# Altium PCB PA-HF_100W-VHF_60W.PcbDoc (part 2 of 3) (continued)
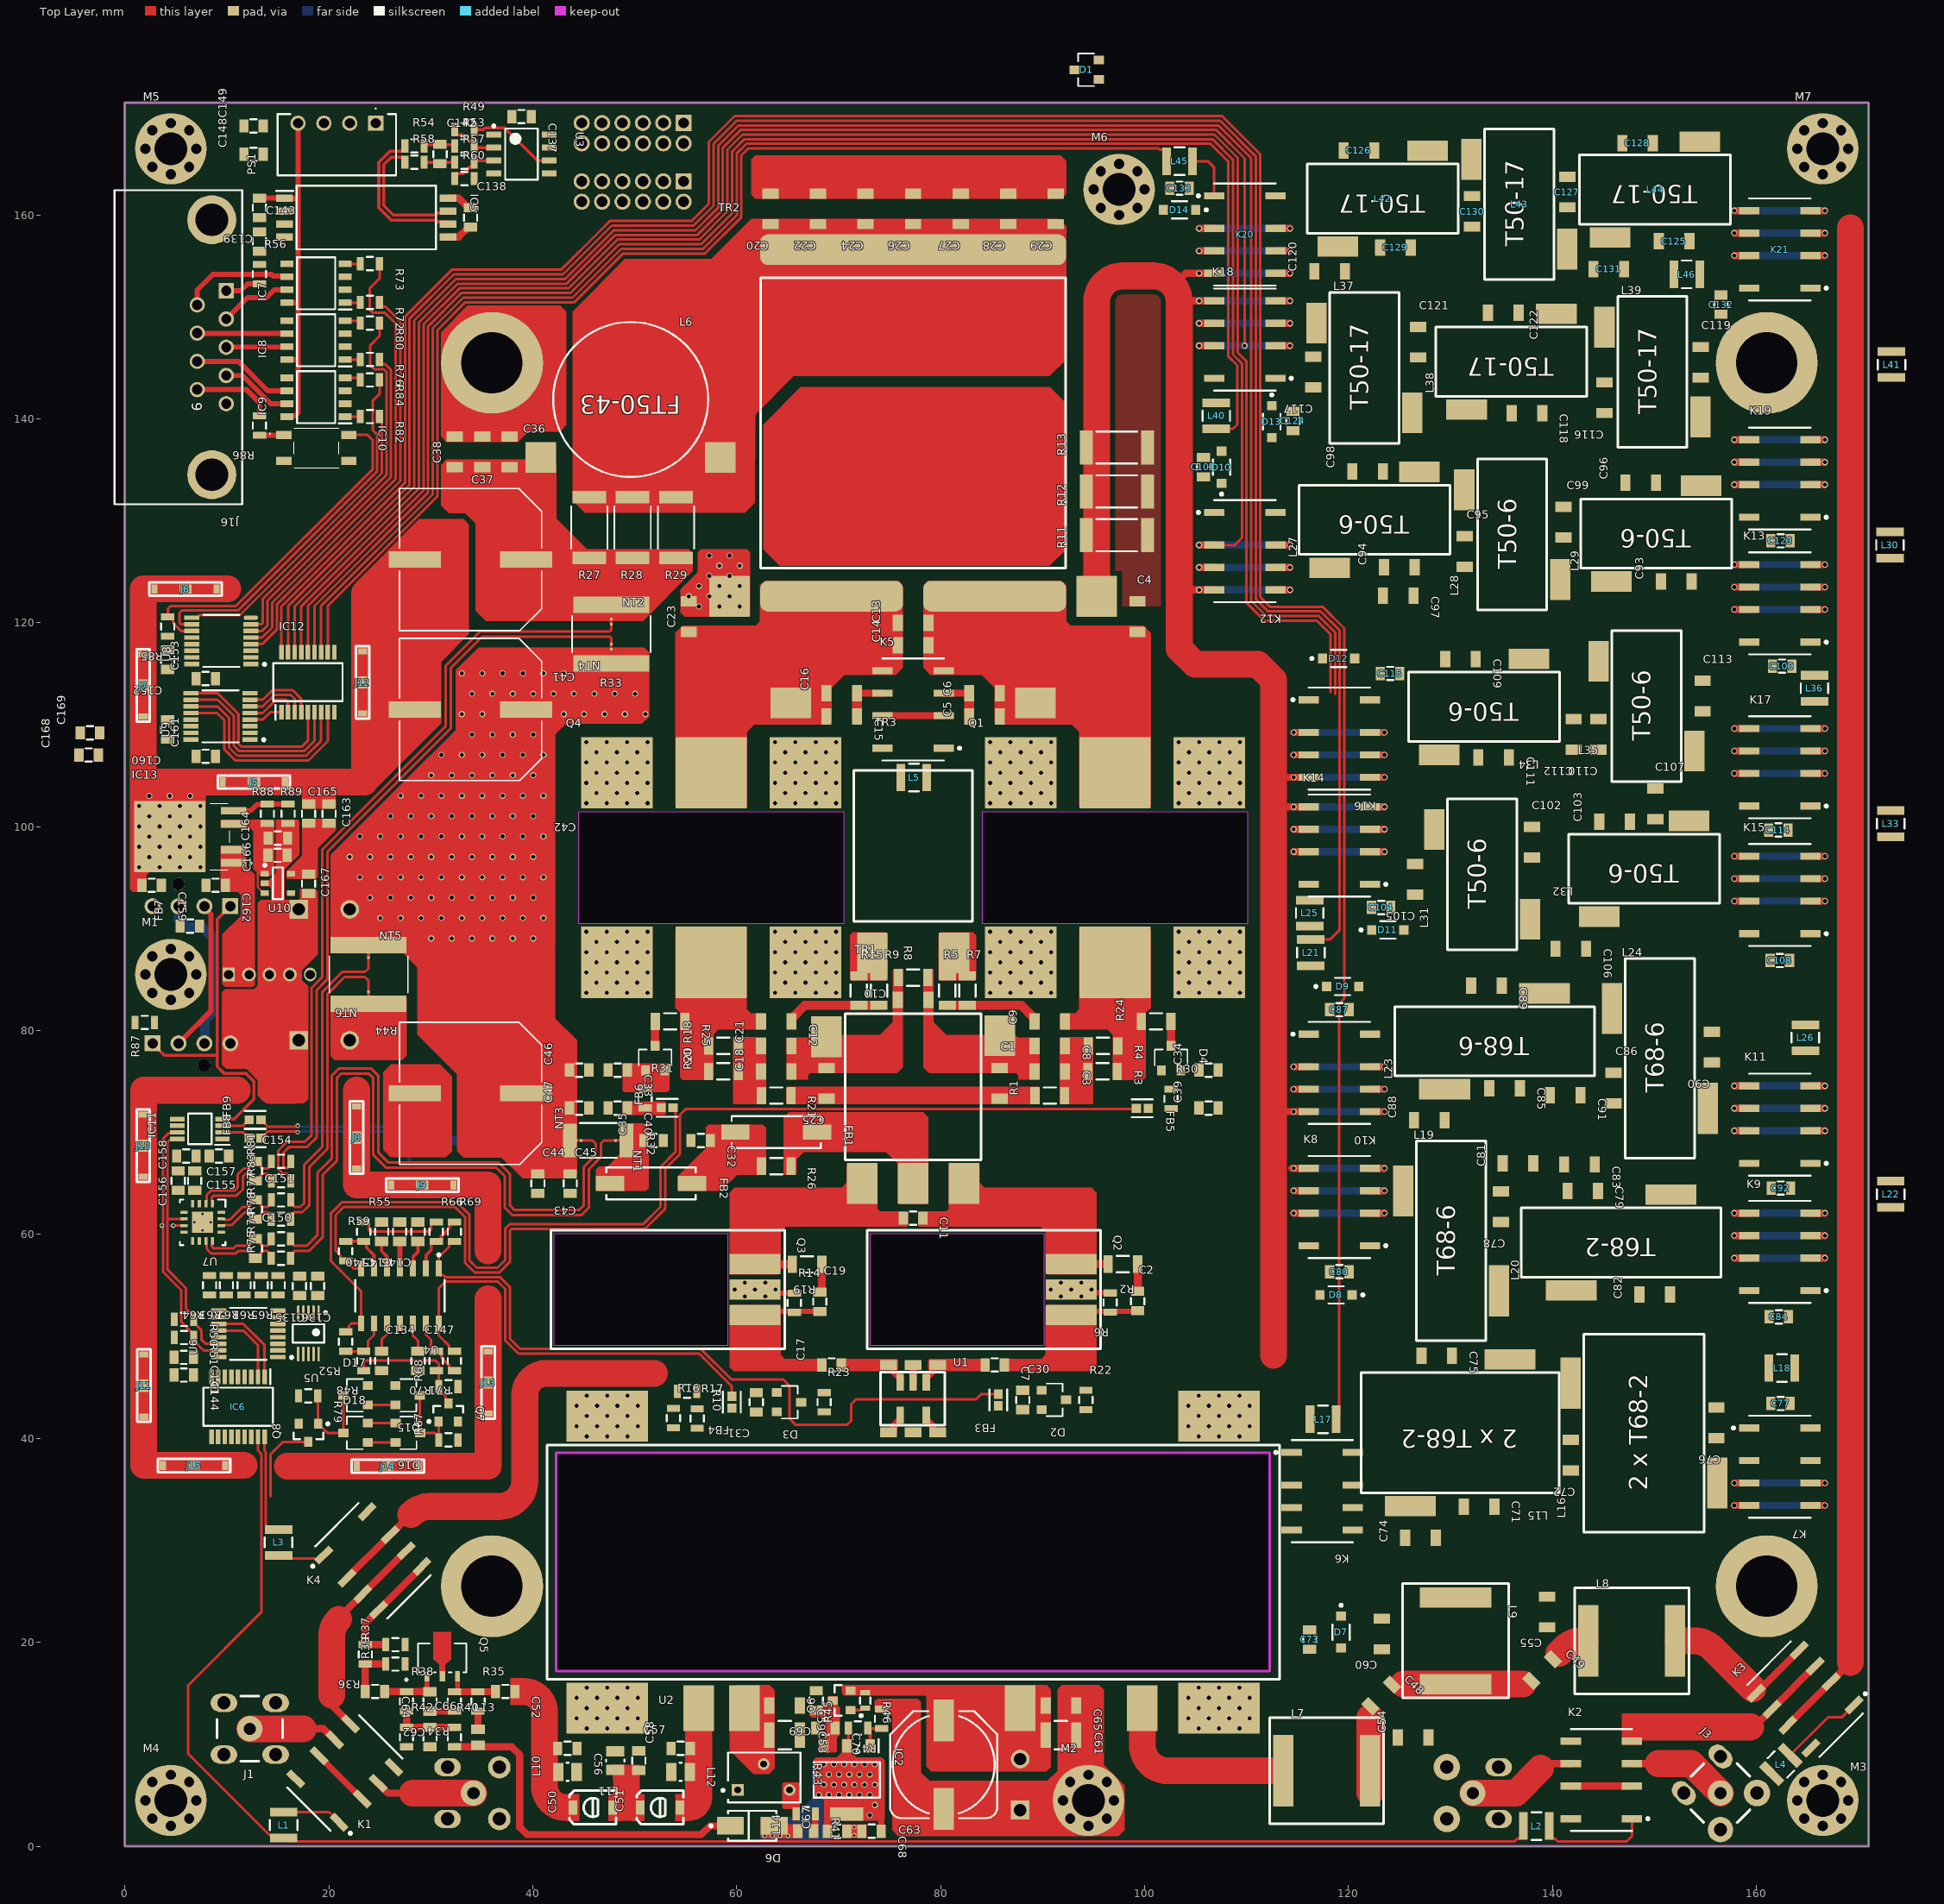
[diagram p0: Top Layer view]
## Nets (pads, with @x,y where several pads share a name; then routed paths per layer and width w, separated by ;. In a path a pad name is that pad's centre, name@x,y a point inside that pad or via, vN(x,y) a via of type N, cw(c..) or ccw(c..) an arc to the next point about the centre after c; other vN are vias at no path point)
+3.3V: C135.2 C136.2 C137.2 C141.2 C144.2 C152.2 C153.2 C155.2 C156.2 C157.2 C158.2 C160.2 C161.2 C163.2 C165.2 C167.2 IC11.1 R50.1 R51.1 R61.1 R62.1 R63.1 R64.1 R65.1 R67.1 R79.1 R85.2 R87.2 U3.7 U5.1 U6.16 U7.4 U7.5 U7.16 U8.1 U8.2 U8.3 U8.16 U9.1 U9.2 U9.16 U10.5
+5V: C138.2 C145.2 C164.2 C166.2 C168.2 C169.2 IC5.8 IC13.4 R68.1 R88.2 U4.4 U10.1 U10.3 | length 8.4
  Top Layer w0.2: 13.025,96.275 13.025,94.075 13.6,93.5 U10.3@13.725,93.5
  Top Layer w0.5: C145.2@26.95,59.325 26.963,59.312 26.963,56.687 U4.4@26.975,56.675
  Top Layer w0.7: IC5.8@31.675,161.655 32.745,161.655 33.7,160.7 C138.2@33.9,160.7
+5V_E: C139.1 C149.1 IC5.1 IC7.8 IC8.8 IC9.8 PS1.4 | length 35.6
  Top Layer w0.5: C139.1@13.2,161.65 13.203,161.653 15.673,161.653 IC5.1@15.675,161.655 15.705,161.625 16.975,161.625 ; IC9.8@15.9,140.22 15.975,140.295 16.682,140.295 16.975,140.588 16.975,145.8 ; IC8.8@15.9,145.807 15.907,145.8 16.975,145.8 ; IC7.8@15.9,151.395 15.905,151.4 16.975,151.4 ; PS1.4@16.98,169 16.975,168.995 16.975,151.4 ; 16.975,145.8 16.975,151.4
+12V: C42.1 C43.1 C44.2 C45.2 C46.2 C47.2 FB7.1 IC1.2 IC6.9 IC12.9 NT3.2 NT4.2 NT5.2 R32.1 R33.1 R44.1
  other v1: 30.041,89.042 32.041,89.042 34.041,89.042 36.041,89.042 38.041,89.042 40.041,89.042 25.041,91.042 27.041,91.042 29.041,91.042 31.041,91.042 33.041,91.042 35.041,91.042 37.041,91.042 39.041,91.042 41.041,91.042 24.041,93.042 26.041,93.042 28.041,93.042 30.041,93.042 32.041,93.042 34.041,93.042 36.041,93.042 38.041,93.042 40.041,93.042 23.041,95.042 25.041,95.042 27.041,95.042 29.041,95.042 31.041,95.042 33.041,95.042 35.041,95.042 37.041,95.042 39.041,95.042 41.041,95.042 22.041,97.042 24.041,97.042 26.041,97.042 28.041,97.042 30.041,97.042 32.041,97.042 34.041,97.042 36.041,97.042 38.041,97.042 40.041,97.042 23.041,99.042 25.041,99.042 27.041,99.042 29.041,99.042 31.041,99.042 33.041,99.042 35.041,99.042 37.041,99.042 39.041,99.042 41.041,99.042 26.041,101.042 28.041,101.042 30.041,101.042 32.041,101.042 34.041,101.042 36.041,101.042 38.041,101.042 40.041,101.042 27.041,103.042 29.041,103.042 31.041,103.042 33.041,103.042 35.041,103.042 37.041,103.042 39.041,103.042 41.041,103.042 30.041,105.042 32.041,105.042 34.041,105.042 36.041,105.042 38.041,105.042 40.041,105.042 31.041,107.042 33.041,107.042 35.041,107.042 37.041,107.042 39.041,107.042 41.041,107.042 34.041,109.042 36.041,109.042 38.041,109.042 40.041,109.042 33.041,111.042 35.041,111.042 43.041,111.042 45.041,111.042 47.041,111.042 49.041,111.042 51.041,111.042 34.041,113.042 36.041,113.042 38.041,113.042 40.041,113.042 42.041,113.042 44.041,113.042 46.041,113.042 48.041,113.042 50.041,113.042 33.041,115.042 35.041,115.042 37.041,115.042 39.041,115.042 41.041,115.042 43.041,115.042
+12V_FAN: C148.1 C159.2 FB7.2 J17.3 J18.3 PS1.2 | length 16.2
  Bottom Layer w1: J18.3@5.255,92.205 5.255,90.945 6.05,90.15 7.575,90.15 8.7,89.025 8.7,81.925 7.823,81.048 7.823,78.773 J17.3@7.795,78.745
+12V_LP: C162.2 IC13.1 IC13.2 J19.1 J19.2
ALC: J16.1 R56.1 | length 3.5
  Top Layer w0.5: J16.1@9.94,152.565 11.365,152.565 12.05,153.25 R56.1@13.2,153.25
BAND0: IC9.7 J16.4 | length 7.1
  Top Layer w0.5: J16.4@9.94,144.255 11.53,144.255 14.295,141.49 IC9.7@15.9,141.49
BAND0_IN: R82.2 U8.9 | length 30.2
  Top Layer w0.254: U8.9@6.55,120.5 7.075,120.5 7.321,120.746 11.28,120.746 25.198,134.664 25.198,140.002 R82.2@24.975,140.225
BAND1: IC9.6 J16.8 | length 10
  Top Layer w0.5: J16.8@7.1,145.64 11.135,145.64 14.015,142.76 IC9.6@15.9,142.76
BAND1_IN: R84.2 U8.10 | length 36.8
  Top Layer w0.254: U8.10@6.55,119.85 5.5,119.85 5.351,119.999 5.351,120.959 5.592,121.2 11.092,121.2 24.744,134.852 24.744,138.456 24.298,138.902 24.298,141.748 24.975,142.425 R84.2@24.975,143.825
BAND2: IC7.6 J16.6 | length 11
  Top Layer w0.5: J16.6@7.1,151.18 7.1,152.65 8.625,154.175 14.36,154.175 14.525,154.01 15.825,154.01 IC7.6@15.9,153.935
BAND2_IN: R73.2 U8.5 | length 45.4
  Top Layer w0.254: U8.5@12.35,118.55 13.458,118.55 14.442,119.534 14.442,121.982 26.56,134.1 26.56,149.365 25.525,150.4 24.325,150.4 24,150.725 24,152.775 24.975,153.75 R73.2@24.975,155.225
BAND3: IC8.7 J16.3 | length 6
  Top Layer w0.5: J16.3@9.94,147.025 9.966,147.051 15.874,147.051 IC8.7@15.9,147.077
BAND3_IN: R76.2 U8.6 | length 33.6
  Top Layer w0.254: U8.6@12.35,119.2 13.466,119.2 13.988,119.722 13.988,122.17 26.106,134.288 26.106,144.798 25.543,145.362 25.198,145.362 24.975,145.585 R76.2@24.975,145.825
BIAS0: FB5.1 R59.1 U4.7 | length 104.2
  Top Layer w0.254: U4.7@23.165,56.675 22.4,56.675 22.165,56.91 22.165,57.202 21.942,57.425 21.358,57.425 21.135,57.648 21.135,57.94 20.673,58.402 20.673,61.906 21.463,62.696 32.379,62.696 33.35,61.725 33.35,57.25 34.317,56.283 36.733,56.283 37.75,57.3 37.75,60.383 37.913,60.546 50.996,60.546 52.975,62.525 52.975,66.433 54.45,67.908 54.45,71.75 55.027,72.327 99.151,72.327 FB5.1@99.199,72.375
BIAS1: FB6.1 R52.1 U4.8 | length 66.8
  Top Layer w0.254: R52.1@21.65,50.45 21.759,50.45 21.982,50.673 21.982,51.032 22.225,51.275 U4.8@23.165,51.275 23.165,54.435 20.219,57.381 20.219,62.094 21.275,63.15 32.567,63.15 33.804,61.913 33.804,57.438 34.505,56.737 36.545,56.737 37.296,57.488 37.296,60.571 37.725,61 50.808,61 52.521,62.713 52.521,66.621 53.996,68.096 53.996,72.18 FB6.1@53.751,72.425
BIAS_EN: D15.1 R65.2 U6.5
C\U\R\R\_\A\L\A\R\M\: D16.1 D18.2 R62.2 U6.7 U7.9 | length 2.7
  Top Layer w0.254: D18.2@23.825,41.5 D16.1@26.55,41.5
DRV_BIAS0: FB3.1 R69.1 U4.1 | length 72
  Top Layer w0.254: R69.1@32.325,59.325 32.033,59.325 31.81,59.102 31.81,58.81 30.785,57.785 30.785,56.2 30.958,56.027 31.223,56.027 31.421,55.829 36.771,55.829 37.75,54.85 37.75,49.8 38.777,48.773 56.494,48.773 59.467,45.8 64.55,45.8 65.175,45.175 65.175,41.95 65.8,41.325 70.8,41.325 71.225,41.75 71.225,43.35 71.698,43.823 72.2,43.823 83.448,43.823 83.976,44.351 FB3.1@85.65,44.351
DRV_BIAS1: FB4.1 R71.1 U4.14 | length 44.2
  Top Layer w0.254: R71.1@32.325,48.55 32.033,48.55 31.81,48.773 31.81,49.065 30.785,50.09 U4.14@30.785,51.275 30.785,54.735 31.425,55.375 36.583,55.375 37.296,54.662 37.296,49.612 38.589,48.319 56.306,48.319 59.525,45.1 FB4.1@59.525,44.126
DRV_CURR_N: NT1.1 R75.1 | length 65.9
  Top Layer w0.254: R75.1@16.25,57.675 16.473,57.898 16.473,58.222 16.622,58.371 18.039,58.371 19.383,59.715 19.383,65.833 20.81,67.26 20.81,75.38 21.225,75.795 23.905,75.795 24.37,75.33 24.37,67.8 25.595,66.575 36.4,66.575 37.25,65.725 37.25,62.632 37.965,61.917 44.785,61.917 45.525,62.657 45.525,66.432 46.679,67.586 46.679,68.925 46.979,69.225 NT1.1@48.121,69.225
DRV_CURR_P: NT3.1 R74.1 | length 65.1
  Top Layer w0.254: R74.1@16.25,59.575 16.473,59.352 16.473,59.028 16.622,58.879 17.829,58.879 18.875,59.925 18.875,66.043 20.302,67.47 20.302,75.59 21.015,76.303 24.115,76.303 24.878,75.54 24.878,68.01 25.805,67.083 36.61,67.083 37.758,65.935 37.758,62.842 38.175,62.425 44.575,62.425 45.017,62.867 45.017,66.642 46.171,67.796 46.171,68.925 45.871,69.225 NT3.1@44.729,69.225
GND: C1.1 C4.2 C20.1 C22.1 C23.1 C24.1 C25.2 C26.1 C27.1 C28.1 C29.1 C30.2 C31.1 C32.1 C33.1 C34.1 C35.1 C36.1 C37.1 C38.1 C39.1 C40.1 C41.2 C42.2 C43.2 C44.1 C45.1 C46.1 C47.1 C53.2 C54.1 C55.1 C56.2 C57.2 C58.2 C59.2 C60.1 C61.2 C63.2 C65.2 C66.1 C67.1 C68.1 C69.1 C70.1 C73.2 C74.1 C75.1 C76.1 C77.2 C80.2 C81.1 C82.1 C83.1 C84.2 C87.2 C88.1 C89.1 C90.1 C91.1 C92.2 C96.2 C97.2 C98.2 C99.2 C100.2 C101.2 C104.2 C105.2 C106.2 C107.2 C108.2 C111.2 C112.2 C113.2 C114.1 C115.2 C119.2 C120.1 C121.2 C122.2 C123.2 C124.2 C128.2 C129.1 C130.2 C131.2 C132.1 C133.2 C134.1 C135.1 C136.1 C137.1 C138.1 C140.1 C141.1 C144.1 C145.1 C146.1 C147.1 C148.2 C152.1 C153.1 C155.1 C156.1 C157.1 C158.1 C159.1 C160.1 C161.1 C162.1 C163.1 C164.1 C165.1 C166.1 C167.1 C168.1 C169.1 D7.2 D8.2 D9.2 D10.2 D11.2 D12.2 D13.2 D14.2 H1.1 IC1.1 IC3.1 IC4.1 IC5.5 IC6.10 IC7.2 IC7.3 IC8.2 IC8.3 IC9.2 IC9.3 IC10.3 IC11.5 IC12.10 IC13.3 J1.1 J1.2 J1.3 J1.4 J2.1 J2.2 J2.3 J2.4 J3.1 J3.2 J3.3 J3.4 J4.1 J4.2 J4.3 J4.4 J5.1 J6.1 J7.1 J8.1 J9.1 J10.1 J11.1 J12.1 J13.1 J14.1 J15.1 J16.M1 J16.M2 J17.4 J18.4 J19.3 J19.4 J20.1 J20.2 J21.1 J21.2 K1.4 K1.8 K2.5 K2.8 K3.8 K4.8 K5.8 K6.2 K6.7 K6.8 K7.2 K7.7 K7.8 K8.8 K9.8 K10.8 K11.8 K12.8 K13.8 K14.8 K15.8 K16.8 K17.8 K18.8 K19.8 K20.8 K21.8 L9.1 L10.1 L11.1 L12.1 M1.1 M2.1 M3.1 M4.1 M5.1 M6.1 M7.1 PS1.1 Q1.1 Q2.1 Q3.1 Q4.1 Q5.1 Q7.2 Q8.2 R1.2 R6.1 R11.1 R12.1 R13.1 R14.2 R16.1 R17.1 R21.2 R37.1 R39.1 R42.1 R43.1 R47.1 R60.2 R89.2 TR2.1 U1.2 U1.4 U2.5 U3.4 U4.11 U5.10 U6.1 U6.2 U6.3 U6.8 U7.3 U7.17@7.625,61.2 U8.8 U9.3 U9.8 U10.2 | length 204.5
  Top Layer w0.5: v1(61.8,54.6) 62.15,54.25 R14.2@65.65,54.25 ; Q2.1@93.125,54.275 R6.1@96.625,54.275
  Top Layer w0.7: IC5.5@31.675,157.845 32.745,157.845 33.7,158.8 C138.1@33.9,158.8 ; U1.2@77.3,45.49 U1.2@77.3,47.2 ; U1.4@78.57,42.31 78.57,41.865 79.225,41.21 79.225,40.75 79.375,40.6 U1.4@79.7,40.6
  Top Layer w2.636: 10.091,123.325 1.8,123.325 1.8,104.375 23.5,104.375 23.5,122.925 ; 11,74.15 1.85,74.15 1.85,68.125 1.85,67.415 1.85,55.75 1.85,54.65 1.85,43.66 1.85,42.95 1.85,37.35 11.7,37.35 ; 14.35,74.15 16.625,74.15 ; 15.95,37.275 35.625,37.275 J13.1@35.625,42.425 J13.1@35.625,45.475 J13.1@35.625,48.525 35.625,53.675 ; 22.725,74.15 22.725,64.85 35.591,64.85 35.591,58.392
  other v1: 45.3,11.55 47.3,11.55 49.3,11.55 105.3,11.55 107.3,11.55 109.3,11.55 44.3,12.55 46.3,12.55 48.3,12.55 50.3,12.55 104.3,12.55 106.3,12.55 108.3,12.55 110.3,12.55 45.3,13.55 47.3,13.55 49.3,13.55 105.3,13.55 107.3,13.55 109.3,13.55 44.3,14.55 46.3,14.55 48.3,14.55 50.3,14.55 104.3,14.55 106.3,14.55 108.3,14.55 110.3,14.55 45.3,15.55 47.3,15.55 49.3,15.55 105.3,15.55 107.3,15.55 109.3,15.55 45.3,40.2 47.3,40.2 49.3,40.2 105.3,40.2 107.3,40.2 109.3,40.2 44.3,41.2 46.3,41.2 48.3,41.2 50.3,41.2 104.3,41.2 106.3,41.2 108.3,41.2 110.3,41.2 45.3,42.2 47.3,42.2 49.3,42.2 105.3,42.2 107.3,42.2 109.3,42.2 44.3,43.2 46.3,43.2 48.3,43.2 50.3,43.2 104.3,43.2 106.3,43.2 108.3,43.2 110.3,43.2 45.3,44.2 47.3,44.2 49.3,44.2 105.3,44.2 107.3,44.2 109.3,44.2 60.8,53.925 62.8,53.925 91.8,53.925 93.8,53.925 59.8,54.6 63.8,54.6 90.8,54.6 92.8,54.6 94.8,54.6 60.8,55.275 62.8,55.275 91.8,55.275 93.8,55.275 45.25,83.7 47.25,83.7 49.25,83.7 51.25,83.7 63.75,83.7 65.75,83.7 67.75,83.7 69.75,83.7 84.85,83.7 86.85,83.7 88.85,83.7 90.85,83.7 103.35,83.7 105.35,83.7 107.35,83.7 109.35,83.7 46.25,84.7 48.25,84.7 50.25,84.7 64.75,84.7 66.75,84.7 68.75,84.7 85.85,84.7 87.85,84.7 89.85,84.7 104.35,84.7 106.35,84.7 108.35,84.7 45.25,85.7 47.25,85.7 49.25,85.7 51.25,85.7 63.75,85.7 65.75,85.7 67.75,85.7 69.75,85.7 84.85,85.7 86.85,85.7 88.85,85.7 90.85,85.7 103.35,85.7 105.35,85.7 107.35,85.7 109.35,85.7 46.25,86.7 48.25,86.7 50.25,86.7 64.75,86.7 66.75,86.7 68.75,86.7 85.85,86.7 87.85,86.7 89.85,86.7 104.35,86.7 106.35,86.7 108.35,86.7 45.25,87.7 47.25,87.7 49.25,87.7 51.25,87.7 63.75,87.7 65.75,87.7 67.75,87.7 69.75,87.7 84.85,87.7 86.85,87.7 88.85,87.7 90.85,87.7 103.35,87.7 105.35,87.7 107.35,87.7 109.35,87.7 46.25,88.7 48.25,88.7 50.25,88.7 64.75,88.7 66.75,88.7 68.75,88.7 85.85,88.7 87.85,88.7 89.85,88.7 104.35,88.7 106.35,88.7 108.35,88.7 45.25,89.7 47.25,89.7 49.25,89.7 51.25,89.7 63.75,89.7 65.75,89.7 67.75,89.7 69.75,89.7 84.85,89.7 86.85,89.7 88.85,89.7 90.85,89.7 103.35,89.7 105.35,89.7 107.35,89.7 109.35,89.7 1.4,96.025 3.4,96.025 5.4,96.025 7.4,96.025 2.4,97.025 4.4,97.025 6.4,97.025 1.4,98.025 3.4,98.025 5.4,98.025 7.4,98.025 2.4,99.025 4.4,99.025 6.4,99.025 1.4,100.025 3.4,100.025 5.4,100.025 7.4,100.025 2.4,101.025 4.4,101.025 6.4,101.025 1.4,102.025 3.4,102.025 5.4,102.025 7.4,102.025 45.25,102.3 47.25,102.3 49.25,102.3 51.25,102.3 63.75,102.3 65.75,102.3 67.75,102.3 69.75,102.3 84.85,102.3 86.85,102.3 88.85,102.3 90.85,102.3 103.35,102.3 105.35,102.3 107.35,102.3 109.35,102.3 2.4,103.025 4.4,103.025 6.4,103.025 46.25,103.3 48.25,103.3 50.25,103.3 64.75,103.3 66.75,103.3 68.75,103.3 85.85,103.3 87.85,103.3 89.85,103.3 104.35,103.3 106.35,103.3 108.35,103.3 45.25,104.3 47.25,104.3 49.25,104.3 51.25,104.3 63.75,104.3 65.75,104.3 67.75,104.3 69.75,104.3 84.85,104.3 86.85,104.3 88.85,104.3 90.85,104.3 103.35,104.3 105.35,104.3 107.35,104.3 109.35,104.3 46.25,105.3 48.25,105.3 50.25,105.3 64.75,105.3 66.75,105.3 68.75,105.3 85.85,105.3 87.85,105.3 89.85,105.3 104.35,105.3 106.35,105.3 108.35,105.3 45.25,106.3 47.25,106.3 49.25,106.3 51.25,106.3 63.75,106.3 65.75,106.3 67.75,106.3 69.75,106.3 84.85,106.3 86.85,106.3 88.85,106.3 90.85,106.3 103.35,106.3 105.35,106.3 107.35,106.3 109.35,106.3 46.25,107.3 48.25,107.3 50.25,107.3 64.75,107.3 66.75,107.3 68.75,107.3 85.85,107.3 87.85,107.3 89.85,107.3 104.35,107.3 106.35,107.3 108.35,107.3 45.25,108.3 47.25,108.3 49.25,108.3 51.25,108.3 63.75,108.3 65.75,108.3 67.75,108.3 69.75,108.3 84.85,108.3 86.85,108.3 88.85,108.3 90.85,108.3 103.35,108.3 105.35,108.3 107.35,108.3 109.35,108.3 56.3,121.6 58.3,121.6 60.3,121.6 55.3,122.6 57.3,122.6 59.3,122.6 56.3,123.6 58.3,123.6 60.3,123.6 57.3,124.6 59.3,124.6 58.3,125.6 60.3,125.6 57.3,126.6 59.3,126.6
  other v3: 71.525,1.075 71.525,1.875
  other v4: 7.625,60.4 6.825,61.2 8.425,61.2 7.625,62
GND_E: C139.2 C143.2 C149.2 IC5.3 IC5.4 IC7.5 IC8.5 IC9.5 IC10.2 J16.5 PS1.3
IN1_N: C150.1 R75.2 U7.11 | length 8.7
  Top Layer w0.254: U7.11@7.95,59.375 7.95,59.15 8.021,59.079 8.021,58.587 8.467,58.141 10.884,58.141 11.115,58.371 12.142,58.371 12.291,58.222 12.291,57.998 12.614,57.675 C150.1@12.8,57.675 12.986,57.675 13.309,57.998 13.309,58.222 13.458,58.371 13.978,58.371 14.127,58.222 14.127,57.898 R75.2@14.35,57.675
IN1_P: C150.2 R74.2 U7.12 | length 7.9
  Top Layer w0.254: U7.12@8.6,59.375 8.6,59.15 8.529,59.079 8.529,58.798 8.678,58.649 10.674,58.649 10.904,58.879 12.142,58.879 12.291,59.028 12.291,59.252 12.614,59.575 C150.2@12.8,59.575 12.986,59.575 13.309,59.252 13.309,59.028 13.458,58.879 13.978,58.879 14.127,59.028 14.127,59.352 R74.2@14.35,59.575
IN2_N: C151.1 R78.2 U7.14 | length 6.8
  Top Layer w0.254: U7.14@9.45,60.875 9.675,60.875 9.746,60.946 10.514,60.946 11.764,62.196 12.142,62.196 12.291,62.047 12.291,61.823 12.614,61.5 C151.1@12.8,61.5 12.986,61.5 13.309,61.823 13.309,62.047 13.458,62.196 13.978,62.196 14.127,62.047 14.127,61.723 R78.2@14.35,61.5
IN2_P: C151.2 R77.2 U7.15 | length 6.8
  Top Layer w0.254: U7.15@9.45,61.525 9.675,61.525 9.746,61.454 10.304,61.454 11.554,62.704 12.142,62.704 12.291,62.853 12.291,63.077 12.614,63.4 C151.2@12.8,63.4 12.986,63.4 13.309,63.077 13.309,62.853 13.458,62.704 14.003,62.704 14.152,62.853 14.152,63.177 R77.2@14.375,63.4
IN3_N: C154.1 R83.2 U7.1 | length 9.5
  Top Layer w0.254: U7.1@8.6,63.025 8.6,63.25 8.529,63.321 8.529,63.654 8.7,63.825 10.968,63.825 11.574,64.431 11.574,65.688 11.857,65.971 12.142,65.971 12.291,65.822 12.291,65.598 12.614,65.275 C154.1@12.8,65.275 12.986,65.275 13.309,65.598 13.309,65.822 13.458,65.971 14.003,65.971 14.152,65.822 14.152,65.498 R83.2@14.375,65.275
IN3_P: C154.2 R81.2 U7.2 | length 10.4
  Top Layer w0.254: U7.2@7.95,63.025 7.95,63.25 8.021,63.321 8.021,63.864 8.49,64.333 10.758,64.333 11.066,64.641 11.066,65.899 11.647,66.479 12.142,66.479 12.291,66.628 12.291,66.852 12.614,67.175 C154.2@12.8,67.175 12.986,67.175 13.309,66.852 13.309,66.628 13.458,66.479 14.003,66.479 14.152,66.628 14.152,66.952 R81.2@14.375,67.175
KEY_IN: J16.9 R86.1 | length 7.9
  Top Layer w0.5: J16.9@7.1,142.87 11.925,142.87 13.2,141.595 R86.1@13.2,140.3
KEY_IN_OUT: IC10.4 R85.1 U8.11 | length 35.1
  Top Layer w0.254: U8.11@6.55,119.2 5.508,119.2 4.723,119.985 4.723,120.352 4.5,120.575 R85.1@4.2,120.575 4.2,121.35 4.504,121.654 10.77,121.654 10.904,121.654 24.29,135.04 24.29,137.935 23.805,138.42 IC10.4@21.95,138.42
KEY_OUT: IC8.6 J16.7 | length 8.8
  Top Layer w0.5: J16.7@7.1,148.41 7.131,148.379 15.869,148.379 IC8.6@15.9,148.347
KEY_OUT_IN: R80.2 U8.7 | length 37.2
  Top Layer w0.254: U8.7@12.35,119.85 13.385,119.85 13.534,119.999 13.534,122.358 25.652,134.476 25.652,144.61 25.414,144.848 24.79,144.848 24.49,144.848 24.075,145.263 24.075,147.225 24.975,148.125 R80.2@24.975,149.4
LPF0: IC12.18 L17.2 | length 265.9
  Top Layer w0.254: IC12.18@15.35,117.125 15.35,121.606 27.468,133.724 27.468,150.02 32.072,154.624 42.772,154.624 46.598,158.45 47.551,159.403 55.578,159.403 57.275,161.1 57.275,167.163 59.812,169.7 107.602,169.7 111.358,165.944 111.358,122.517 112.3,121.575 117.451,121.575 119.589,119.437 119.589,83.151 119.073,82.635 119.073,42.173 L17.2@118.775,41.875
LPF1: IC12.17 L21.2 | length 219.2
  Top Layer w0.254: IC12.17@16,117.125 16,121.614 27.922,133.536 27.922,149.832 32.26,154.17 42.96,154.17 47.739,158.949 55.766,158.949 57.729,160.912 57.729,166.975 60,169.246 107.414,169.246 110.904,165.756 110.904,122.329 112.112,121.121 117.263,121.121 119.135,119.249 119.135,89.885 118.175,88.925 L21.2@116.3,88.925
LPF2: IC12.16 L25.2 | length 191.3
  Top Layer w0.254: IC12.16@16.65,117.125 16.65,121.622 28.376,133.348 28.376,149.644 32.448,153.716 43.148,153.716 47.927,158.495 55.954,158.495 58.183,160.724 58.183,166.787 60.188,168.792 107.226,168.792 110.45,165.568 110.45,122.141 111.924,120.667 117.075,120.667 118.681,119.061 118.681,113.01
LPF3: C101.1 D10.1 IC12.15 K12.1 K18.2 K18.7 | length 160.8
  Top Layer w0.254: IC12.15@17.3,117.125 17.3,121.63 28.83,133.159 28.83,149.456 32.636,153.262 43.336,153.262 48.115,158.041 56.142,158.041 58.637,160.536 58.637,166.599 60.376,168.338 107.038,168.338 109.812,165.564 109.812,147.187 v1(109.8,147.175)
  Top Layer w0.7: v1(105.35,147.175) K18.7@106.825,147.175 ; K18.2@112.825,147.175 v1(114.25,147.175)
  Bottom Layer w0.7: v1(105.35,147.175) v1(109.8,147.175) v1(114.25,147.175)
LPF4: C104.1 D11.1 IC12.14 K14.1 K16.2 K16.7 | length 199.9
  Top Layer w0.254: IC12.14@17.95,117.125 17.95,121.637 29.284,132.971 29.284,149.268 32.824,152.808 43.524,152.808 48.303,157.587 56.33,157.587 59.091,160.348 59.091,166.411 60.564,167.884 106.85,167.884 109.133,165.601 109.133,146.492 109.996,145.629 109.996,121.953 111.736,120.213 116.887,120.213 118.227,118.873 118.227,113.198
  Top Layer w0.7: v1(114.625,109.25) K16.2@116.1,109.25 ; K16.7@122.1,109.25 v1(123.525,109.25)
  Bottom Layer w0.7: v1(114.625,109.25) 119.075,109.25 v1(123.525,109.25)
LPF5: C115.1 D12.1 IC12.13 K12.2 K12.7 K16.1 | length 179.8
  Top Layer w0.254: IC12.13@18.6,117.125 18.6,121.645 29.738,132.783 29.738,149.08 33.012,152.354 43.712,152.354 48.491,157.133 56.518,157.133 59.545,160.16 59.545,166.223 60.752,167.43 106.662,167.43 108.679,165.413 108.679,146.304 109.542,145.441 109.542,128.317 108.85,127.625 K12.2@106.825,127.625
  Top Layer w0.7: v1(105.35,127.625) K12.2@106.825,127.625 ; K12.7@112.825,127.625 v1(114.25,127.625)
  Bottom Layer w0.7: v1(105.35,127.625) v1(114.25,127.625)
LPF6: D1.2 IC12.12 L40.2 | length 154.5
  Top Layer w0.254: IC12.12@19.25,117.125 19.25,121.653 30.192,132.595 30.192,148.892 33.2,151.9 43.9,151.9 48.679,156.679 56.706,156.679 59.999,159.972 59.999,166.035 60.94,166.976 106.474,166.976 108.225,165.225 108.225,146.116 109.088,145.253 109.088,139.463 108.65,139.025 L40.2@107.025,139.025
LPF7: D1.1 IC12.11 L45.2 | length 119.5
  Top Layer w0.254: IC12.11@19.9,117.125 19.9,121.661 30.646,132.407 30.646,148.704 33.388,151.446 44.088,151.446 48.867,156.225 56.894,156.225 60.453,159.784 60.453,165.847 61.128,166.522 101.378,166.522 101.493,166.407 101.852,166.407 102.15,166.109 L45.2@102.15,165.275
NetC1_2: C1.2 C3.1 C8.1 C10.1 R8.2 TR1.2
NetC2_1: C2.1 C7.2 Q2.2 R6.2 R22.2 | length 6
  Top Layer w0.5: Q2.2@93.125,52.475 C2.1@99.125,52.475
NetC2_2: C2.2 R2.1 | length 2.7
  Top Layer w0.8: C2.2@99.325,54.425 R2.1@99.325,57.1
NetC3_2: C3.2 C8.2 R1.1 R3.1 R4.1
NetC4_1: C4.1 C5.1 C6.1 C13.1 C14.1 K5.4 Q1.3 TR2.4 TR3.4 | length 2.3
  Top Layer w1: C5.1@85.8,110.825 C6.1@85.8,113.1
NetC5_2: C5.2 C6.2 K5.3 | length 4.8
  Top Layer w0.7: K5.3@80.3,113.1 C6.2@82.8,113.1
  Top Layer w1: C5.2@82.8,110.825 C6.2@82.8,113.1
NetC7_1: C7.1 U1.3 | length 2.4
  Top Layer w0.7: U1.3@78.57,45.49 78.57,45.935 79.225,46.59 79.225,47.05 79.375,47.2 U1.3@79.7,47.2
NetC9_1: C9.1 Q1.2 R3.2 R4.2 R24.2
NetC9_2: C9.2 R5.1 R7.1 | length 9.4
  Top Layer w0.9: R5.1@80.65,82.475 R7.1@82.625,82.475 87.925,82.475 89.2,81.2 C9.2@89.2,80.9
NetC10_2: C10.2 C18.1 C21.1 C25.1 R8.1 TR1.1
NetC11_1: C11.1 Q3.3 R19.2 TR1.3 | length 3.6
  Top Layer w0.8: Q3.3@61.825,57.075 R19.2@65.45,57.075
NetC11_2: C11.2 Q2.3 R2.2 TR1.4 | length 3.6
  Top Layer w0.8: Q2.3@92.8,57.1 R2.2@96.425,57.1
NetC12_1: C12.1 Q4.2 R18.2 R20.2 R25.2
NetC12_2: C12.2 R9.1 R15.1 | length 9.4
  Top Layer w0.9: C12.2@65.4,80.9 65.4,81.2 66.675,82.475 R15.1@71.975,82.475 R9.1@73.95,82.475
NetC13_2: C13.2 C14.2 C15.1 C16.2 C23.2 K5.5 Q4.3 TR2.3 TR3.3 | length 2.3
  Top Layer w1: C15.1@68.8,110.825 C16.2@68.8,113.1
NetC15_2: C15.2 C16.1 K5.6 | length 4.8
  Top Layer w0.7: C16.1@71.8,113.1 K5.6@74.3,113.1
  Top Layer w1: C15.2@71.8,110.825 C16.1@71.8,113.1
NetC17_1: C17.1 U1.1 | length 2.4
  Top Layer w0.7: U1.1@74.9,47.2 75.225,47.2 75.375,47.05 75.375,46.59 76.03,45.935 U1.1@76.03,45.49
NetC17_2: C17.2 C19.1 Q3.2 R14.1 R23.2 | length 6.5
  Top Layer w0.5: Q3.2@61.8,52.1 62.15,52.45 C19.1@68.15,52.45
NetC18_2: C18.2 C21.2 R18.1 R20.1 R21.1
NetC19_2: C19.2 R19.1 | length 2.9
  Top Layer w0.8: C19.2@68.15,54.35 68.3,54.35 68.35,54.4 R19.1@68.35,57.075
NetC20_2: C20.2 C22.2 C24.2 C26.2 C27.2 C28.2 C29.2 L6.2 R27.2 R28.2 R29.2 TR2.5
NetC30_1: C30.1 D2.1 D2.2 FB3.2
NetC31_2: C31.2 D3.1 D3.2 FB4.2
NetC32_2: C32.2 FB1.1 FB2.2 R26.1
NetC33_2: C33.2 D5.1 D5.2 R31.2
NetC34_2: C34.2 D4.1 D4.2 R30.2
NetC35_2: C35.2 FB2.1 NT1.2 R32.2
NetC36_2: C36.2 C37.2 C38.2 C41.1 L6.1 NT2.2 R27.1 R28.1 R29.1 R33.2
NetC39_2: C39.2 FB5.2 R30.1
NetC40_2: C40.2 FB6.2 R31.1
NetC48_1: C48.1 C54.2 L7.2 | length 7.4
  Top Layer w2.636: L7.2@122.1,5.25 L7.2@122.1,7.4 122.1,12.6
NetC48_2: C48.2 C49.1 C60.2 L9.2 | length 11.7
  Top Layer w2.636: 125.375,15.9 L9.2@130.5,15.9 137.1,15.9
NetC49_2: C49.2 C55.2 L8.1 | length 3
  Top Layer w2.636: 140.638,18.912 141.131,19.406 cw(c142.927,17.61) 142.927,20.15 L8.1@143.2,20.15
NetC50_1: C50.1 C52.2 C56.1 L10.2 | length 13.7
  Top Layer w2.636: 39.125,15.175 cw(c39.125,13.15) 41.15,13.15 41.15,5.9 ccw(c43.25,5.9) 43.25,3.8
NetC50_2: C50.2 C51.1 C57.1 L11.2 | length 4.1
  Top Layer w2.636: 49.175,6.675 49.175,4.25 cw(c48.725,4.25) 48.725,3.8 49.65,3.8
NetC51_2: C51.2 C58.1 L12.2 U2.1 | length 10.3
  Top Layer w2.636: 55.3,3.8 ccw(c55.3,4.775) 56.275,4.775 U2.1@56.275,13.55
NetC52_1: C52.1 Q5.3 R34.1 R35.2 | length 5.6
  Top Layer w0.45: R34.1@32.325,15.15 32.5,15.15 32.625,15.275 Q5.3@32.625,16.675
  Top Layer w0.7: R34.1@32.5,15.15 R35.2@34.625,15.15 36.325,15.15 C52.1@36.35,15.175
NetC53_1: C53.1 C59.1 R43.2 U2.2
NetC61_1: C61.1 C63.1 C65.1 IC3.2 Q6.2 R46.1 U2.3
NetC62_1: C62.1 C64.2 Q5.2 R38.2 | length 6.2
  Top Layer w0.45: Q5.2@29.625,16.675 29.625,15.375 29.838,15.162 29.85,15.15 C62.1@29.925,15.15
  Top Layer w0.7: C64.2@25.475,15.175 25.488,15.162 29.838,15.162 29.913,15.162 C62.1@29.925,15.15
NetC62_2: C62.2 R34.2 | length 2.4
  Top Layer w0.7: C62.2@29.925,13.25 R34.2@32.325,13.25
NetC64_1: C64.1 R36.2 R39.2 | length 4.7
  Top Layer w0.7: C64.1@23.575,15.175 R36.2@23.575,17.875 R39.2@25.575,17.875
NetC66_2: C66.2 R38.1 R40.2 R42.2 | length 6.3
  Top Layer w0.7: R38.1@27.625,13.25 R42.2@27.625,11.65 C66.2@29.925,11.65 R40.2@32.325,11.65
NetC67_2: C67.2 C68.2 D6.1 IC2.2 IC2.4 L14.2 R45.2 | length 14.2
  Top Layer w0.3: IC2.2@70.8,9.85 70.95,10 R45.2@70.95,11.6
  Top Layer w0.65: C67.2@68.9,1.475 v2@68.9,5.042 ; v2(69.041,5.042) v2@68.9,5.042 ; 70.725,7.325 70.242,6.842 69.492,6.092 68.9,5.5 v2@68.9,5.042 ; v2@71.75,6.15 72.45,5.45 72.95,4.95 73.7,4.2 74.175,3.725 C68.2@74.175,1.475
  other v2: 73.041,3.042 73.541,4.042 68.041,5.042 70.041,5.042 71.041,5.042 72.041,5.042 73.041,5.042 68.541,6.042 69.541,6.042 70.541,6.042 71.541,6.042 72.541,6.042 73.541,6.042 68.041,7.042 69.041,7.042 70.041,7.042 71.041,7.042 72.041,7.042 73.041,7.042 68.541,8.042 69.541,8.042 70.541,8.042 71.541,8.042 72.541,8.042 73.541,8.042
  other v3: 62.75,1.025 63.508,1.025 64.267,1.025 65.025,1.025
NetC69_2: C69.2 C70.2 IC2.3 Q6.3
NetC71_1: C71.1 C74.2 K6.3 K6.6 L15.1
NetC71_2: C71.2 C72.1 C75.2 L15.2 L16.1
NetC72_2: C72.2 C76.2 K7.3 K7.6 L16.2 | length 11.8
  Top Layer w0.7: v1(157.825,35.625) K7.3@159.3,35.625 ; K7.6@165.3,35.625 v1(166.725,35.625)
  Bottom Layer w0.7: v1(157.825,35.625) 162.275,35.625 v1(166.725,35.625)
NetC73_1: C73.1 D7.1 K6.1 K8.2 K8.7 L17.1 | length 11.8
  Top Layer w0.7: v1(114.625,62.1) K8.7@116.1,62.1 ; K8.2@122.1,62.1 v1(123.525,62.1)
  Bottom Layer w0.7: v1(114.625,62.1) 119.075,62.1 v1(123.525,62.1)
NetC77_1: C77.1 K7.1 L18.2
NetC78_1: C78.1 C81.2 K8.3 K8.6 L19.1 | length 11.8
  Top Layer w0.7: v1(114.625,64.3) K8.6@116.1,64.3 ; K8.3@122.1,64.3 v1(123.525,64.3)
  Bottom Layer w0.7: v1(114.625,64.3) 119.075,64.3 v1(123.525,64.3)
NetC78_2: C78.2 C79.1 C82.2 L19.2 L20.1
NetC79_2: C79.2 C83.2 K9.3 K9.6 L20.2 | length 11.8
  Top Layer w0.7: v1(157.825,59.9) K9.6@159.3,59.9 ; K9.3@165.3,59.9 v1(166.725,59.9)
  Bottom Layer w0.7: v1(157.825,59.9) 162.275,59.9 v1(166.725,59.9)
NetC80_1: C80.1 D8.1 K8.1 K10.2 K10.7 L21.1 | length 11.8
  Top Layer w0.7: v1(114.625,76.45) K10.2@116.1,76.45 ; K10.7@122.1,76.45 v1(123.525,76.45)
  Bottom Layer w0.7: v1(114.625,76.45) 119.075,76.45 v1(123.525,76.45)
NetC84_1: C84.1 K9.1 L22.2
NetC85_1: C85.1 C88.2 K10.3 K10.6 L23.1 | length 11.8
  Top Layer w0.7: v1(114.625,74.25) K10.3@116.1,74.25 ; K10.6@122.1,74.25 v1(123.525,74.25)
  Bottom Layer w0.7: v1(114.625,74.25) 119.075,74.25 v1(123.525,74.25)
NetC85_2: C85.2 C86.2 C89.2 C91.2 L23.2 L24.1
NetC86_1: C86.1 C90.2 K11.3 K11.6 L24.2 | length 11.8
  Top Layer w0.7: v1(157.825,72.375) K11.6@159.3,72.375 ; K11.3@165.3,72.375 v1(166.725,72.375)
  Bottom Layer w0.7: v1(157.825,72.375) 162.275,72.375 v1(166.725,72.375)
NetC87_1: C87.1 D9.1 K10.1 K14.2 K14.7 L25.1 | length 11.8
  Top Layer w0.7: v1(114.625,97.55) K14.7@116.1,97.55 ; K14.2@122.1,97.55 v1(123.525,97.55)
  Bottom Layer w0.7: v1(114.625,97.55) 119.075,97.55 v1(123.525,97.55)
NetC92_1: C92.1 K11.1 L26.2
NetC93_1: C93.1 C96.1 K13.3 K13.6 L29.2 | length 11.8
  Top Layer w0.7: v1(157.825,123.5) K13.6@159.3,123.5 ; K13.3@165.3,123.5 v1(166.725,123.5)
  Bottom Layer w0.7: v1(157.825,123.5) 162.275,123.5 v1(166.725,123.5)